# KiCad board M3DU_BoardV3_2.kicad_pcb (continued)
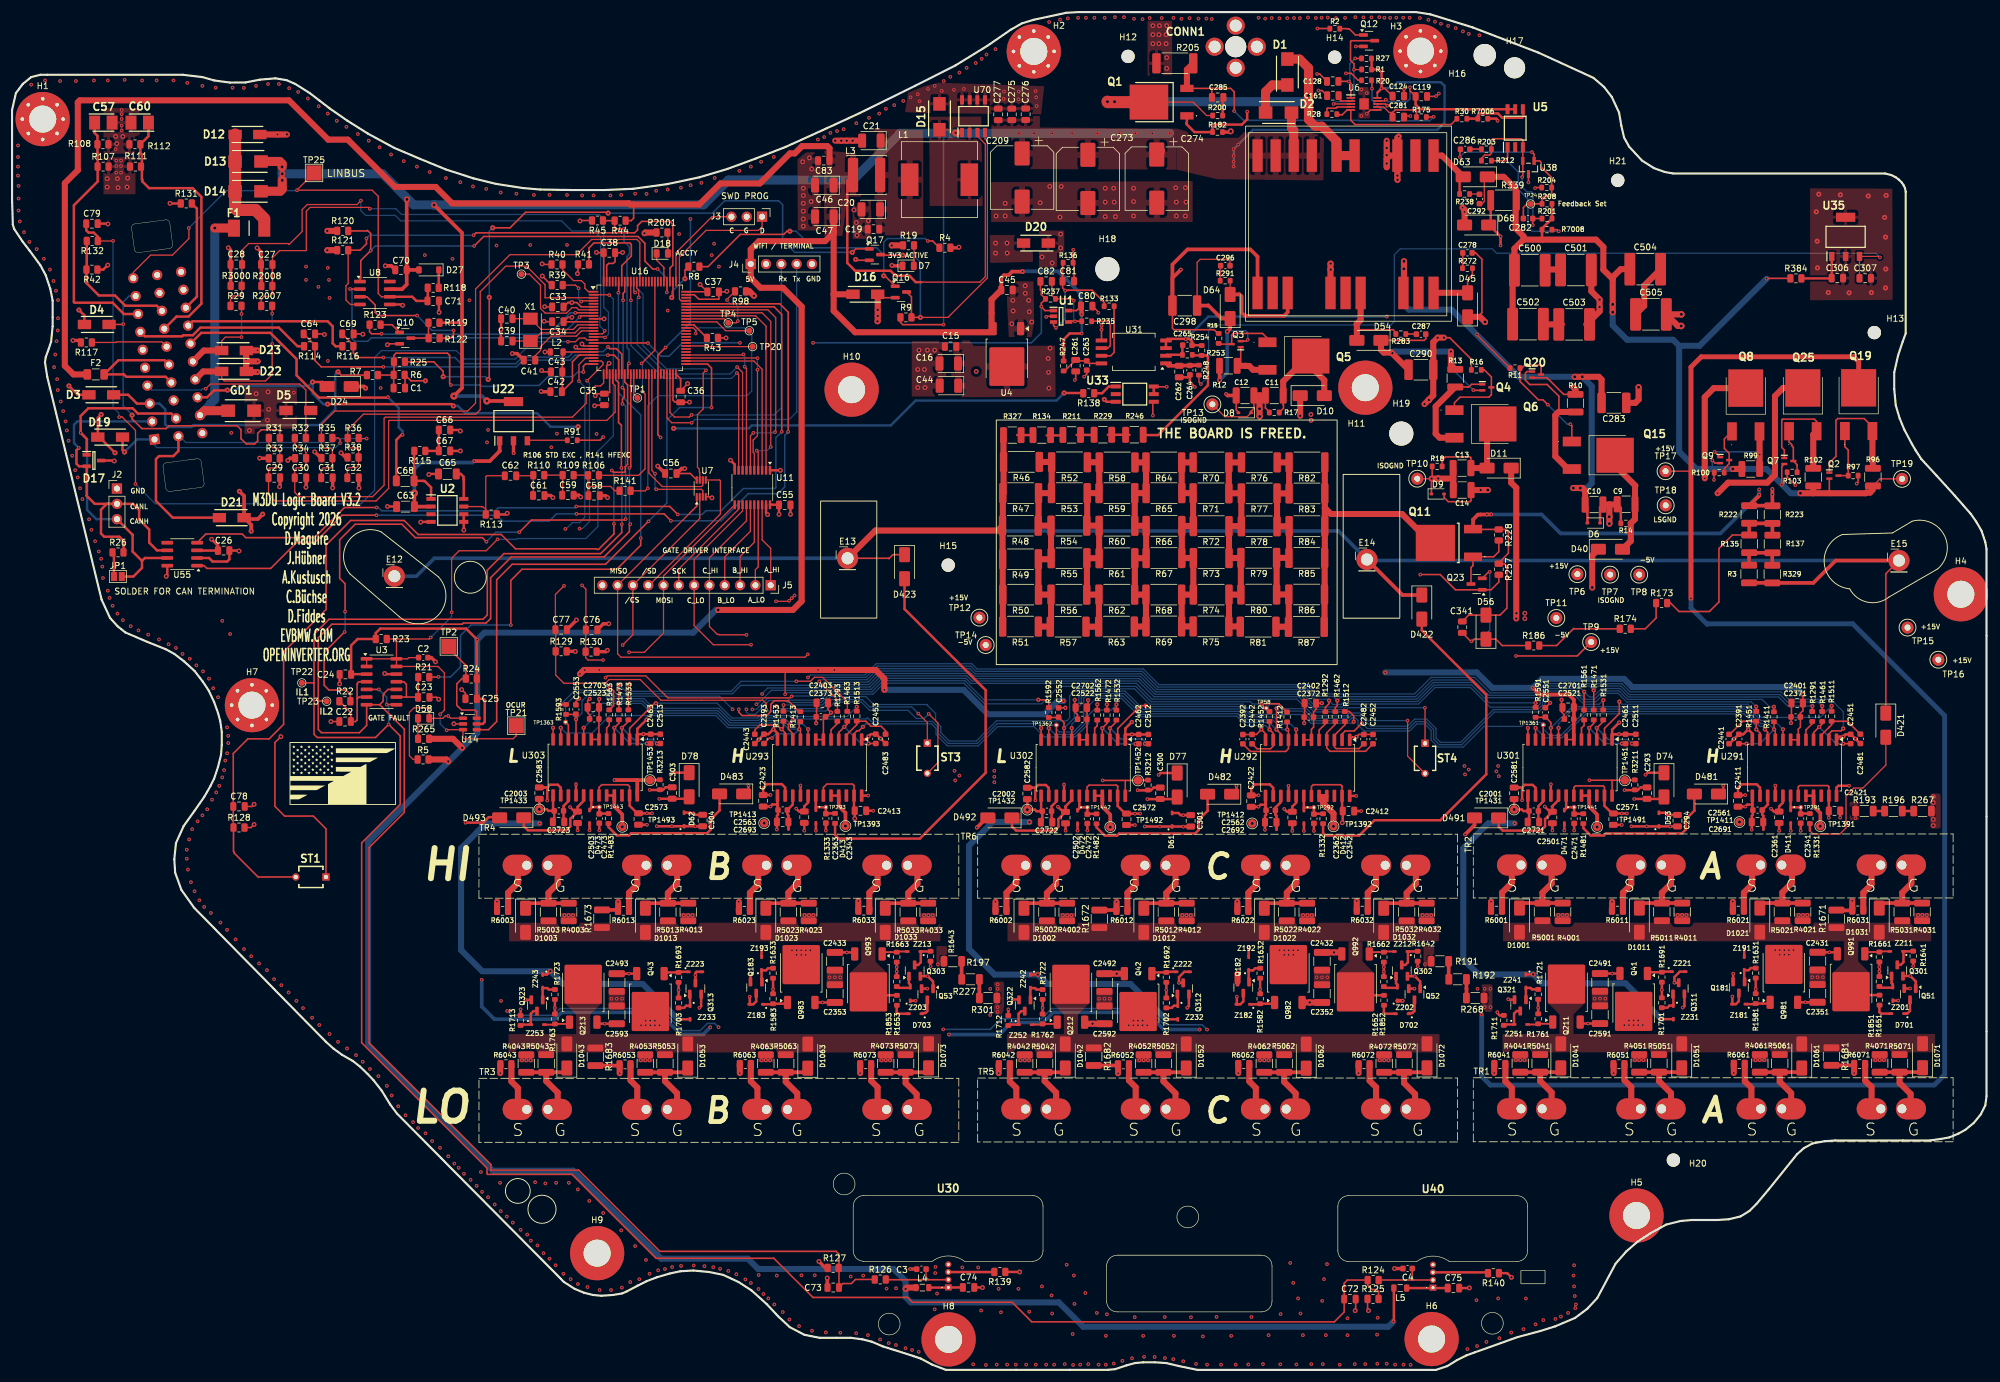
[diagram p0: board, top side]
## Copper pours and planes (outline as drawn; the poured copper is in the pictures) (continued)
GND on In2.Cu: 75.69,103.45 305.56,103.45 305.56,109.04 300.16,114.45 270.7,114.45 267.72,117.42 75.69,117.42
HV- on Top: 182.6,60.78 179.91,60.78 179.91,62.48 182.6,62.48
HV- on Top: 318.26,95.71 320.02,95.71 320.02,89.87 318.26,89.87
HV- on Top: 101.68,60.78 98.99,60.78 98.99,62.48 101.68,62.48
HV- on Top: 264.82,60.81 262.13,60.81 262.13,62.51 264.82,62.51
HV- on Top: 298.33,196.16 298.33,177.59 312.05,177.64 311.98,196.11 298.43,196.16
HV- on Top: 243.71,64.01 243.71,59.44 245.62,59.44 245.62,64.01
HV- on Top: 162.89,64.47 162.89,59 164.59,59 164.59,64.47
HV- on In1.Cu: 276.35,143.76 275.56,169.17 249.51,169.62 249.33,181.9 245.33,184.35 245.21,188.05 239.03,188.22 238.83,196.62 237.13,198.02 228.81,198.2 228.73,205.05 252.41,204.47 256.76,196.55 257.61,188 275.86,186.95 276.41,186.11 296.19,186.46 296.13,201.09 319.71,200.57 326.51,143.67 281.94,143.76
HV- on In1.Cu, In2.Cu: 71.63,68.83 72.65,69.85 72.65,89.66 82.04,99.06 114.81,99.06 115.57,98.3 115.57,89.92 114.56,88.9 78.49,88.9 76.46,86.87 76.46,70.87 78.49,68.83 115.57,68.83 116.59,67.82 116.59,58.93 119.89,55.63 152.66,55.63 156.97,59.94 156.97,88.14 167.9,99.06 195.58,99.06 196.34,98.3 196.34,89.92 194.82,88.39 163.07,88.39 160.53,85.85 160.53,71.37 163.32,68.58 197.23,68.58 198.38,67.44 198.38,66.24 197.36,65.23 197.36,63.25 198.38,62.23 198.38,57.66 200.41,55.63 236.48,55.63 239.02,58.17 239.02,87.88 250.45,99.31 276.61,99.31 277.37,98.55 277.37,90.42 275.34,88.39 244.86,88.39 242.57,86.11 242.57,70.1 244.1,68.58 279.15,68.58 280.42,67.31 280.42,59.11 283.9,55.63 314.96,55.63 320.14,60.81 320.14,87.78 318.26,89.66 318.26,108.97 304.29,122.94 297.69,122.94 296.42,121.67 285.5,121.67 283.97,123.19 280.42,123.19 276.35,127.25 276.35,143.76 281.94,143.76 281.94,131.57 285.5,128.02 301.5,128.02 302.01,128.52 306.33,128.52 324.36,110.49 324.36,48.01 316.74,40.39 298.6,40.39 297.59,39.37 294.64,39.37 288.29,33.02 102.36,33.02 95.76,39.62 95.76,39.88 82.55,39.88 65.28,57.15 65.28,68.33 65.79,68.83
LS_GND on In2.Cu: 227.48,205.47 252.09,204.76 256.53,196.72 257.48,187.65 275.73,186.67 279.81,169.05 316.58,168.85 324.06,145.12 276.08,144.62 275.56,169.3 249.68,169.77 249.53,182.05 245.61,184.42 245.31,188.17 239.13,188.27 239.03,196.82 237.18,196.87 227.48,196.97
Net-(D1001-A) on Top: 247.4,74.27 318.44,74.27 318.44,71.17 247.4,71.17
Net-(D1001-A) on Top: 308.23,65.68 302.03,65.68 302.03,65.89 303.96,67.82 303.96,71.42 306.3,71.42 306.3,67.84 308.23,65.91
Net-(D1002-A) on Top: 226.01,65.66 219.81,65.66 219.81,65.86 221.74,67.79 221.74,71.4 224.08,71.4 224.08,67.82 226.01,65.89
Net-(D1002-A) on Top: 165.18,74.24 236.73,74.24 236.73,71.15 165.18,71.15
Net-(D1003-A) on Top: 145.19,65.66 138.99,65.66 138.99,65.86 140.92,67.79 140.92,71.4 143.26,71.4 143.26,67.82 145.19,65.89
Net-(D1003-A) on Top: 82.48,74.24 154.03,74.24 154.03,71.15 82.48,71.15
Net-(D1041-A) on Top: 254.81,61.16 261.01,61.16 261.01,60.96 259.08,59.03 259.08,55.75 256.74,55.75 256.74,59 254.81,60.93
Net-(D1041-A) on Top: 319.08,52.73 247.3,52.73 247.3,55.78 319.08,55.78
Net-(D1042-A) on Top: 172.59,61.14 178.79,61.14 178.79,60.93 176.86,59 176.86,55.73 174.52,55.73 174.52,58.98 172.6,60.91
Net-(D1042-A) on Top: 236.86,52.71 165.08,52.71 165.08,55.75 236.86,55.75
Net-(D1043-A) on Top: 91.67,61.14 97.87,61.14 97.87,60.93 95.94,59 95.94,55.73 93.6,55.73 93.6,58.98 91.67,60.91
Net-(D1043-A) on Top: 154.15,52.71 82.37,52.71 82.37,55.75 154.15,55.75
Net-(Q41-D) on Top, Bottom: 311.2,52.35 311.2,51.1 308.56,51.1 308.56,52.35
Net-(Q41-D) on Top, Bottom: 271.3,52.37 271.3,51.1 268.66,51.1 268.66,52.37
Net-(Q41-D) on Top, Bottom: 291.31,52.35 291.31,51.1 288.67,51.1 288.67,52.35
Net-(Q41-D) on Top, Bottom: 251.56,52.35 251.56,51.1 248.92,51.1 248.92,52.35
Net-(Q41-D) on Bottom: 318.52,55.14 318.52,52.15 247.3,52.15 247.3,55.14 264.59,55.14 268.02,58.57 270.05,58.57 273.48,55.14
Net-(Q42-D) on Top, Bottom: 228.98,52.32 228.98,51.08 226.34,51.08 226.34,52.32
Net-(Q42-D) on Top, Bottom: 169.34,52.32 169.34,51.08 166.7,51.08 166.7,52.32
Net-(Q42-D) on Top, Bottom: 209.09,52.32 209.09,51.08 206.45,51.08 206.45,52.32
Net-(Q42-D) on Top, Bottom: 189.08,52.35 189.08,51.08 186.44,51.08 186.44,52.35
Net-(Q42-D) on Bottom: 236.73,55.12 236.73,52.12 165.08,52.12 165.08,55.12 182.37,55.12 185.8,58.55 187.83,58.55 191.26,55.12
Net-(Q43-D) on Top, Bottom: 86.64,52.32 86.64,51.08 84,51.08 84,52.32
Net-(Q43-D) on Top, Bottom: 126.39,52.32 126.39,51.08 123.75,51.08 123.75,52.32
Net-(Q43-D) on Top, Bottom: 106.38,52.35 106.38,51.08 103.74,51.08 103.74,52.35
Net-(Q43-D) on Top, Bottom: 146.28,52.32 146.28,51.08 143.64,51.08 143.64,52.32
Net-(Q43-D) on Bottom: 154.03,55.12 154.03,52.12 82.37,52.12 82.37,55.12 101.45,55.12 104.88,58.55 106.91,58.55 110.34,55.12
Net-(Q51-S) on Top: 306.45,94.31 306.45,91.26 304.7,91.26 304.7,94.31
Net-(Q52-S) on Top: 235.97,66.8 235.97,70.38 234.19,70.38 234.19,66.8
Net-(Q53-S) on Top: 155.14,66.8 155.14,70.38 153.37,70.38 153.37,66.8
Net-(Q981-D) on Top, Bottom: 295.78,74.96 295.78,75.87 298.43,75.87 298.43,74.96
Net-(Q981-D) on Top, Bottom: 275.79,74.96 275.79,75.87 278.44,75.87 278.44,74.96
Net-(Q981-D) on Top, Bottom: 315.6,74.96 315.6,75.87 318.21,75.87 318.21,74.96
Net-(Q981-D) on Top, Bottom: 255.96,74.96 255.96,75.87 258.6,75.87 258.6,74.96
Net-(Q981-D) on Bottom: 318.52,75.03 318.52,71.93 298.6,71.93 295.02,68.35 292.91,68.35 289.33,71.93 247.4,71.93 247.4,75.03
Net-(Q982-D) on Top, Bottom: 233.38,74.93 233.38,75.84 235.99,75.84 235.99,74.93
Net-(Q982-D) on Top, Bottom: 173.74,74.93 173.74,75.84 176.38,75.84 176.38,74.93
Net-(Q982-D) on Top, Bottom: 213.56,74.93 213.56,75.84 216.21,75.84 216.21,74.93
Net-(Q982-D) on Top, Bottom: 193.57,74.93 193.57,75.84 196.22,75.84 196.22,74.93
Net-(Q982-D) on Bottom: 236.73,75.01 236.73,71.91 216.38,71.91 212.8,68.33 210.69,68.33 207.11,71.91 165.18,71.91 165.18,75.01
Net-(Q983-D) on Top, Bottom: 130.86,74.93 130.86,75.84 133.5,75.84 133.5,74.93
Net-(Q983-D) on Top, Bottom: 110.87,74.93 110.87,75.84 113.51,75.84 113.51,74.93
Net-(Q983-D) on Top, Bottom: 150.67,74.93 150.67,75.84 153.29,75.84 153.29,74.93
Net-(Q983-D) on Top, Bottom: 91.04,74.93 91.04,75.84 93.68,75.84 93.68,74.93
Net-(Q983-D) on Bottom: 154.03,75.01 154.03,71.91 135.46,71.91 131.88,68.33 130,68.33 126.42,71.91 82.48,71.91 82.48,75.01
Net-(U70-OUTPUT) on Top: 152.18,207.24 152.25,193.24 161.05,193.21 160.8,208.06 152.18,208.03

## Text on the board
F.Silkscreen: CANH | CANL | GND | GATE FAULT | OCUR | R106 STD EXC , R141 HFEXC | MISO | /CS | /SD | MOSI | GATE DRIVER INTERFACE | SCK | ACCTY | C_LO | C_HI | B_LO | C | B_HI | G | 5V | A_LO | WiFi / TERMINAL | D | A_HI | Rx | Tx | 3V3 ACTIVE | +15V | -5V | ISOGND | Feedback Set | LSGND | SOLDER FOR CAN TERMINATION | SWD PROG | IL1 | IL2 | M3DU Logic Board V3.2 / Copyright 2026 / D.Maguire / J.Hübner / A.Kustusch / C.Büchse / D.Fiddes / EVBMW.COM / OPENINVERTER.ORG | LINBUS | THE BOARD IS FREED. | L | H | B | A | LO | HI
